# Altium PCB Terra.PcbDoc (part 1 of 7) (continued)
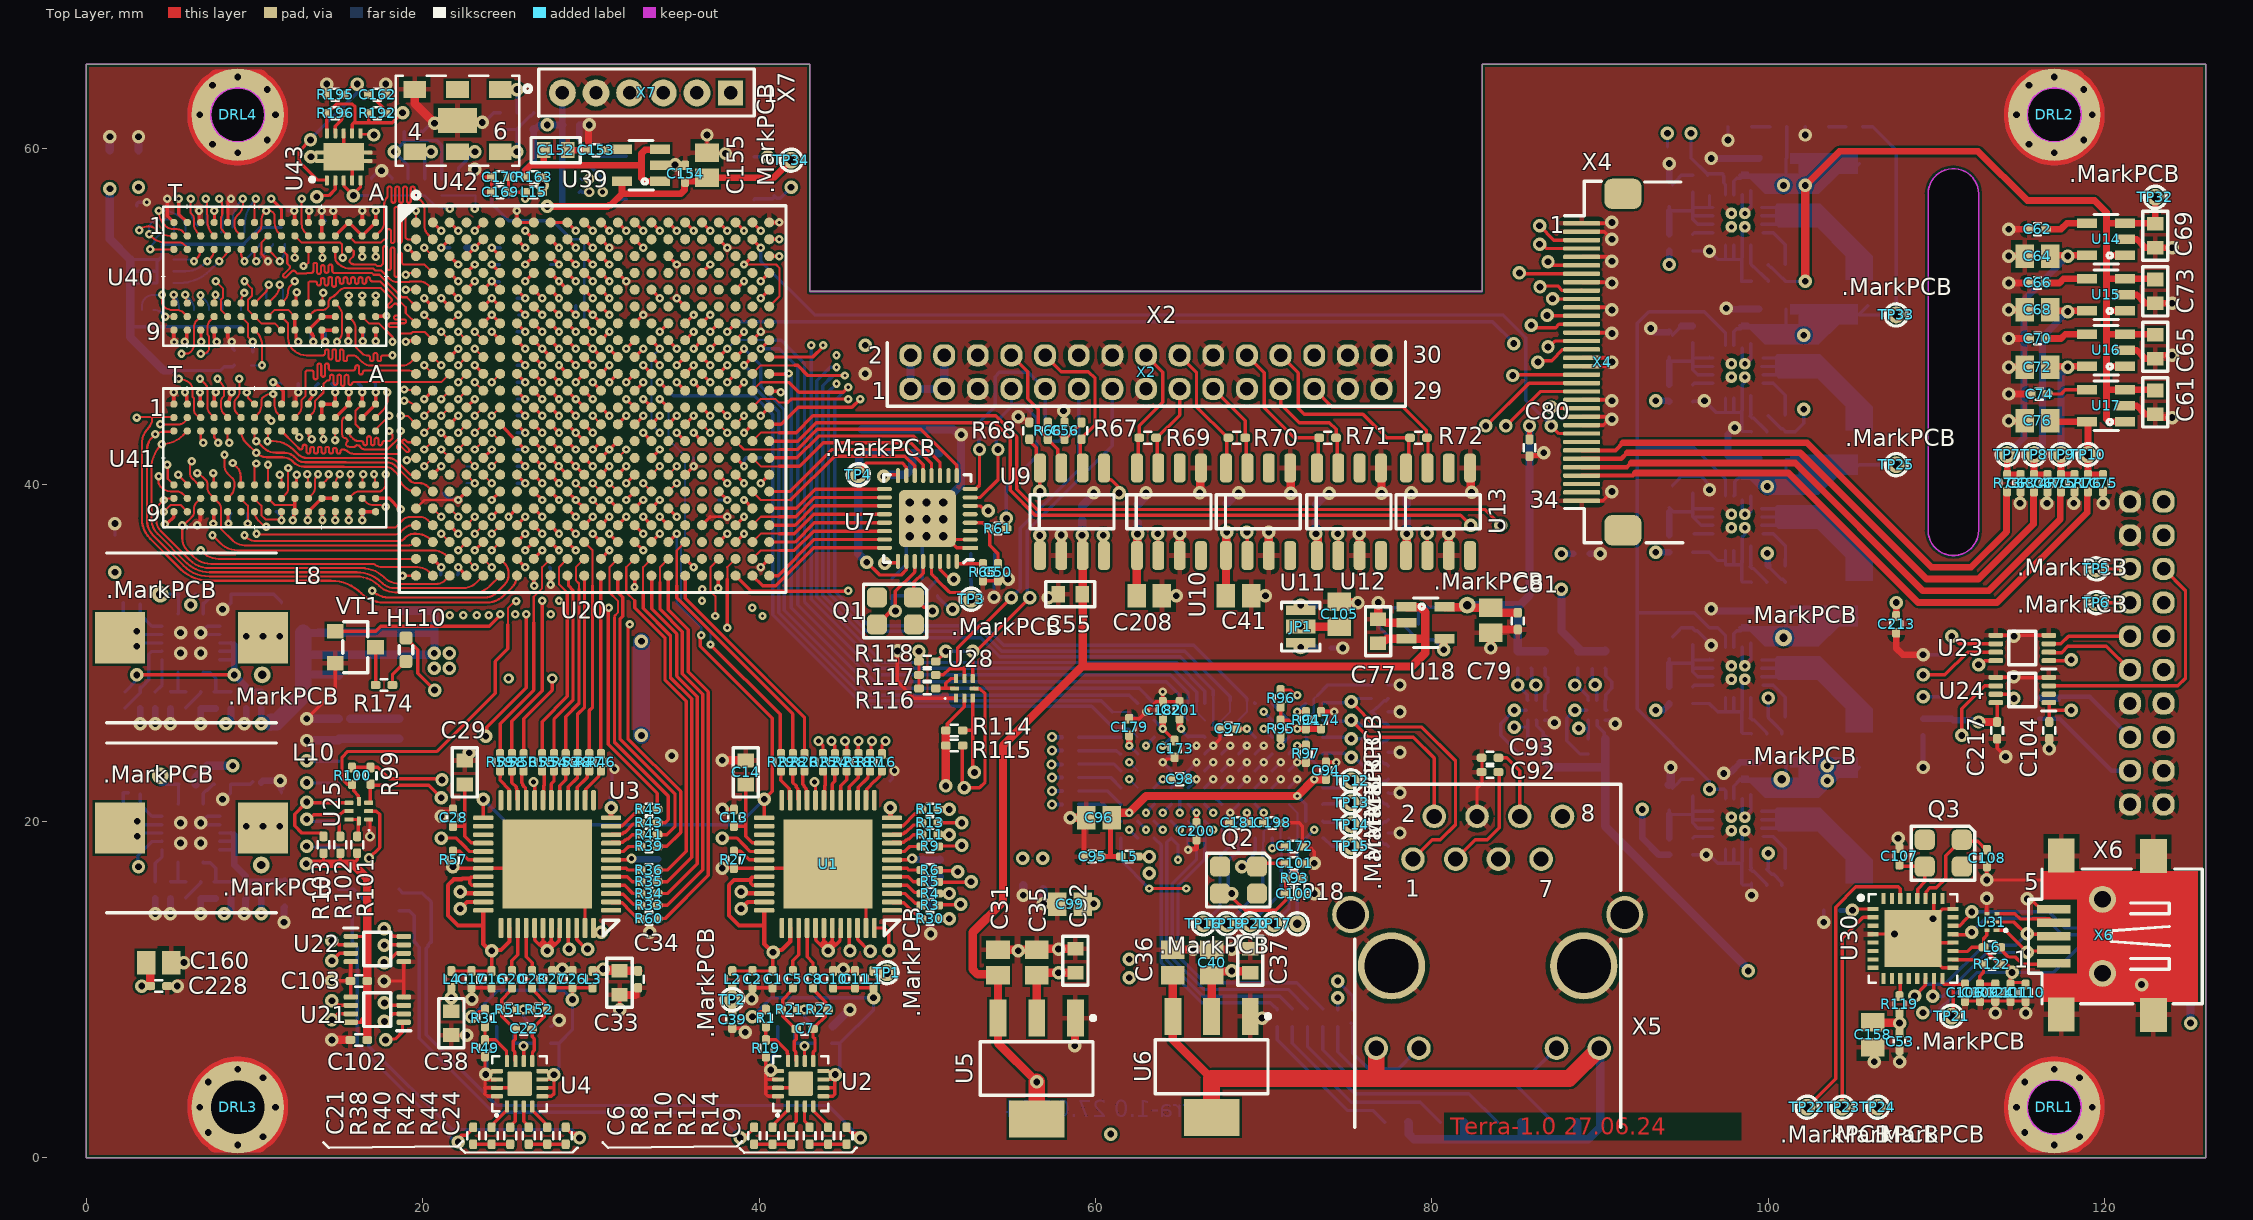
[diagram p0: Top Layer view]
## Components (designator, comment, footprint, x,y, rotation, side; value= is the part's Value field where it differs from the comment)
C1 "Cap" C0402 40.8,10.6 r270 top value=0.1uF
C2 "Cap" C0402 39.6,10.6 r270 top value=10nF
C3 "Cap" C0402 50.725,17.2 r270 bottom value=0.1uF
C4 "Cap" C0402 49.725,17.2 r270 bottom value=10nF
C5 "Cap" C0402 42,10.6 r270 top value=0.1uF
C6 "Cap" C0402 39.7,1.3 r90 top value=0.1uF
C7 "Cap" C0402 42.7,7.65 r0 top value=100pF
C8 "Cap" C0402 43.2,10.6 r270 top value=0.1uF
C9 "Cap" C0402 45.2,1.3 r90 top value=0.1uF
C10 "Cap" C0402 44.4,10.6 r90 top value=0.1uF
C11 "Cap" C0402 45.7,10.6 r90 top value=10nF
C12 "Cap" C0402 41.6,7.8 r180 bottom value=0.1uF
C13 "Cap" C0402 38.5,20.2 r90 top value=0.1uF
C14 "Cap" C0603 39.2,22.9 r90 top value=1uF
C15 "Cap" C0402 43.8,7.8 r0 bottom value=0.1uF
C16 "Cap" C0402 24.1,10.6 r270 top value=0.1uF
C17 "Cap" C0402 22.9,10.6 r270 top value=10nF
C18 "Cap" C0402 34.025,17.2 r270 bottom value=0.1uF
C19 "Cap" C0402 33.025,17.2 r270 bottom value=10nF
C20 "Cap" C0402 25.3,10.6 r270 top value=0.1uF
C21 "Cap" C0402 23,1.3 r90 top value=0.1uF
C22 "Cap" C0402 26,7.65 r0 top value=100pF
C23 "Cap" C0402 26.5,10.6 r270 top value=0.1uF
C24 "Cap" C0402 28.5,1.3 r90 top value=0.1uF
C25 "Cap" C0402 24.9,7.8 r180 bottom value=0.1uF
C26 "Cap" C0402 28.9,10.6 r90 top value=0.1uF
C27 "Cap" C0402 27.7,10.6 r90 top value=10nF
C28 "Cap" C0402 21.8,20.2 r90 top value=0.1uF
C29 "Cap" C0603 22.5,22.9 r90 top value=1uF
C30 "Cap" C0402 27.1,7.8 r0 bottom value=0.1uF
C31 "Cap" C0805 54.2,11.6 r90 top value=47uF
C32 "Cap" C0603 58.8,11.7 r90 top value=1uF
C33 "Cap" C0603 31.7,10.4 r270 top value=1uF
C34 "Cap" C0402 32.8,10.6 r270 top value=0.1uF
C35 "Cap" C0805 56.5,11.6 r90 top value=47uF
C36 "Cap" C0805 64.6,11.6 r90 top value=47uF
C37 "Cap" C0603 69.2,11.7 r90 top value=1uF
C38 "Cap" C0603 21.7,8 r270 top value=1uF
C39 "Cap" C0402 38.4,8.2 r270 top value=0.1uF
C40 "Cap" C0805 66.9,11.6 r90 top value=47uF
C41 "Cap" C0805 68.5,33.4 r0 top value=47uF
C42 "Cap" C0603 50.6,42.6 r270 bottom value=1uF
C43 "Cap" C0603 49.1,42.6 r270 bottom value=1uF
C44 "Cap" C0603 53.3,35.9 r180 bottom value=1uF
C45 "Cap" C0603 53.3,34.3 r180 bottom value=1uF
C46 "Cap" C0603 47.6,42.6 r270 bottom value=1uF
C47 "Cap" C0603 46.1,42.6 r270 bottom value=1uF
C48 "Cap" C0402 49.7,33.9 r90 bottom value=10pF
C49 "Cap" C0402 47.9,33.9 r90 bottom value=10pF
C50 "Cap" C0402 54.2,34.8 r270 top value=0.1uF
C51 "Cap" C0402 50.6,33.9 r90 bottom value=10nF
C52 "Cap" C0603 47.1,47.5 r270 bottom value=1uF
C53 "Cap" C0402 107.8,6.9 r270 top value=0.1uF
C54 "Cap" C0402 59.2,38.2 r90 bottom value=0.1uF
C55 "Cap" C0603 58.5,33.5 r180 top value=1uF
C56 "Cap" C0402 58.16,43.211 r90 top value=0.1uF
C57 "Cap" C0402 62.5,38.3 r90 bottom value=0.1uF
C58 "Cap" C0402 73.1,38.3 r90 bottom value=0.1uF
C59 "Cap" C0402 67.8,38.2 r90 bottom value=0.1uF
C60 "Cap" C0402 78.5,38.3 r90 bottom value=0.1uF
C61 "Cap" C0603 123,44.9 r270 top value=1uF
C62 "Cap" C0402 116,55.2 r180 top value=0.1uF
C63 "Cap" C0402 115,40.1 r270 top value=0.1uF
C64 "Cap" C0805 116,53.6 r180 top value=47uF
C65 "Cap" C0603 123,48.211 r270 top value=1uF
C66 "Cap" C0402 116,52 r180 top value=0.1uF
C67 "Cap" C0402 116.6,40.1 r270 top value=0.1uF
C68 "Cap" C0805 116,50.4 r180 top value=47uF
C69 "Cap" C0603 123,54.811 r270 top value=1uF
C70 "Cap" C0402 116,48.7 r180 top value=0.1uF
C71 "Cap" C0402 118.2,40.1 r270 top value=0.1uF
C72 "Cap" C0805 116,47 r180 top value=47uF
C73 "Cap" C0603 123,51.5 r270 top value=1uF
C74 "Cap" C0402 116.1,45.4 r180 top value=0.1uF
C75 "Cap" C0402 119.9,40.1 r270 top value=0.1uF
C76 "Cap" C0805 116,43.8 r180 top value=47uF
C77 "Cap" C0603 76.8,31.3 r90 top value=1uF
C78 "Cap" C0402 78.7,32.7 r180 bottom value=0.1uF
C79 "Cap" C0805 83.5,31.95 r270 top value=47uF
C80 "Cap" C0402 85.8,42.2 r270 top value=0.1uF
C81 "Cap" C0402 85.1,31.9 r270 top value=0.1uF
C82 "Cap" C0402 58.5,25 r180 bottom value=10nF
C83 "Cap" C0402 58.5,24.2 r0 bottom value=10nF
C84 "Cap" C0402 58.5,21.8 r0 bottom value=10nF
C85 "Cap" C0402 58.5,21 r0 bottom value=10nF
C86 "Cap" C0402 58.5,23.4 r0 bottom value=10nF
C87 "Cap" C0402 58.5,22.6 r0 bottom value=10nF
C88 "Cap" C0402 76.9,26.5 r0 bottom value=10nF
C89 "Cap" C0402 76.9,24.1 r0 bottom value=10nF
C90 "Cap" C0402 76.9,21.7 r0 bottom value=10nF
C91 "Cap" C0402 76.9,19.3 r0 bottom value=10nF
C92 "Cap" C0402 83.45,22.925 r180 top value=10nF
C93 "Cap" C0402 83.45,23.775 r180 top value=10nF
C94 "Cap" C0402 73.7,23 r90 top value=10nF
C95 "Cap" C0402 59.8,17.9 r180 top value=10nF
C96 "Cap" C0805 60.2,20.2 r180 top value=47uF
C97 "Cap" C0402 67.9,25.5 r180 top value=10nF
C98 "Cap" C0402 65,22.5 r0 top value=10nF
C99 "Cap" C0805 58.475,15.075 r180 top value=47uF
C100 "Cap" C0402 71.8,15.7 r0 top value=22pF
C101 "Cap" C0402 71.8,17.5 r0 top value=22pF
C102 "Cap" C0402 16.2,7 r180 top value=0.1uF
C103 "Cap" C0402 16.2,10.5 r180 top value=0.1uF
C104 "Cap" C0402 116.7,25.4 r270 top value=0.1uF
C105 "Cap" C0805 74.5,32.3 r90 top value=10uF
C106 "Cap" C0402 111.691,9.809 r270 top value=0.1uF
C107 "Cap" C0402 107.791,17.909 r90 top value=10pF
C108 "Cap" C0402 112.991,17.809 r270 top value=10pF
C109 "Cap" C0402 112.591,9.809 r270 top value=0.1uF
C110 "Cap" C0402 115.3,9.8 r270 top value=0.1uF
C111 "Cap" C0402 114.391,9.809 r270 top value=0.1uF
C112 "Cap" C0402 2.7,33 r180 bottom value=0.1uF
C113 "Cap" C0805 94.1,39.4 r90 bottom value=10uF
C114 "Cap" C0402 95.5,40 r90 bottom value=0.1uF
C115 "Cap" C0402 95.5,36.5 r270 bottom value=3.3nF
C116 "Cap" C0402 98.3,41 r90 bottom value=0.1uF
C117 "Cap" C0805 100.3,41.5 r180 bottom value=47uF
C118 "Cap" C0402 9.5,27.2 r270 bottom value=0.1uF
C119 "Cap" C0402 4.1,27.2 r90 bottom value=10nF
C120 "Cap" C0402 5,27.2 r90 bottom value=10nF
C121 "Cap" C0402 6.8,27.2 r90 bottom value=3.3nF
C122 "Cap" C0805 9.9,32.9 r90 bottom value=47uF
C123 "Cap" C0402 11.6,32.5 r90 bottom value=0.1uF
C124 "Cap" C0402 2.7,21.7 r180 bottom value=0.1uF
C125 "Cap" C0805 94.1,21.4 r90 bottom value=10uF
C126 "Cap" C0402 95.5,22 r90 bottom value=0.1uF
C127 "Cap" C0402 95.5,18.5 r270 bottom value=3.3nF
C128 "Cap" C0402 98.3,23 r90 bottom value=0.1uF
C129 "Cap" C0805 100.3,23.5 r180 bottom value=47uF
C130 "Cap" C0402 9.5,15.9 r270 bottom value=0.1uF
C131 "Cap" C0805 11.8,15.7 r270 bottom value=10uF
C132 "Cap" C0402 4.1,15.9 r90 bottom value=10nF
C133 "Cap" C0402 5,15.9 r90 bottom value=10nF
C134 "Cap" C0402 6.8,15.9 r90 bottom value=3.3nF
C135 "Cap" C0805 9.9,21.6 r90 bottom value=47uF
C136 "Cap" C0402 11.6,21.2 r90 bottom value=0.1uF
C137 "Cap" C0805 94.1,30.4 r90 bottom value=10uF
C138 "Cap" C0402 95.5,31 r90 bottom value=0.1uF
C139 "Cap" C0402 95.5,27.5 r270 bottom value=3.3nF
C140 "Cap" C0402 98.3,32 r90 bottom value=0.1uF
C141 "Cap" C0805 100.3,32.5 r180 bottom value=47uF
C142 "Cap" C0805 94.1,57.3 r90 bottom value=10uF
C143 "Cap" C0402 95.5,57.9 r90 bottom value=0.1uF
C144 "Cap" C0402 95.5,54.4 r270 bottom value=3.3nF
C145 "Cap" C0402 98.3,58.9 r90 bottom value=0.1uF
C146 "Cap" C0805 100.3,59.4 r180 bottom value=47uF
C147 "Cap" C0805 94.1,48.5 r90 bottom value=10uF
C148 "Cap" C0402 95.5,48.95 r90 bottom value=0.1uF
C149 "Cap" C0402 95.5,45.45 r270 bottom value=3.3nF
C150 "Cap" C0402 98.3,49.95 r90 bottom value=0.1uF
C151 "Cap" C0805 100.3,50.45 r180 bottom value=47uF
C152 "Cap" C0603 27.9,59.9 r0 top value=1uF
C153 "Cap" C0402 30.3,59.9 r180 top value=0.1uF
C154 "Cap" C0402 35.6,58.5 r90 top value=0.1uF
C155 "Cap" C0805 36.9,59 r90 top value=47uF
C156 "Cap" C0402 22.125,57.7 r270 bottom value=10nF
C157 "Cap" C0402 20.125,57.7 r270 bottom value=10nF
C158 "Cap" C0805 106.2,7.3 r270 top value=47uF
C159 "Cap" C0402 28.8,61.4 r180 bottom value=0.1uF
C160 "Cap" C0805 4.3,11.6 r0 top value=47uF
C161 "Cap" C0402 19.4,61 r180 bottom value=0.1uF
C162 "Cap" C0402 17.3,63.2 r0 top value=10nF
C163 "Cap" C0805 3.1,59.15 r90 bottom value=47uF
C164 "Cap" C0402 12.1,46 r0 bottom value=0.1uF
C165 "Cap" C0805 1.4,59.15 r90 bottom value=47uF
C166 "Cap" C0402 16.95,57.7 r90 bottom value=0.1uF
C167 "Cap" C0402 28.8,60.6 r180 bottom value=0.1uF
C168 "Cap" C0402 24.625,61.6 r270 bottom value=0.1uF
C169 "Cap" C0402 24.6,57.4 r180 top value=0.1uF
C170 "Cap" C0402 24.6,58.3 r180 top value=0.47uF
C171 "Cap" C0805 56.9,16.7 r270 bottom value=47uF
C172 "Cap" C0402 71.8,18.5 r0 top value=0.47uF
C173 "Cap" C0402 64.7,24.3 r270 top value=0.47uF
C174 "Cap" C0402 73.4,26 r90 top value=0.47uF
C175 "Cap" C0402 73.5,30.3 r0 bottom value=0.47uF
C176 "Cap" C0402 55.7,16.7 r270 bottom value=0.47uF
C177 "Cap" C0402 31.2,21.9 r90 bottom value=0.47uF
C178 "Cap" C0402 47.8,21.9 r90 bottom value=0.47uF
C179 "Cap" C0402 62,25.6 r90 top value=0.47uF
C180 "Cap" C0402 39.1,42.1 r270 bottom value=0.47uF
C181 "Cap" C0402 68.5,19.9 r180 top locked value=0.47uF
C182 "Cap" C0402 64,26.6 r90 top value=0.47uF
C183 "Cap" C0402 25.1,54.1 r180 bottom value=0.47uF
C184 "Cap" C0402 22.1,54.1 r180 bottom value=0.47uF
C185 "Cap" C0402 27.1,53.1 r0 bottom value=0.47uF
C186 "Cap" C0402 91.2,63 r90 bottom value=0.47uF
C187 "Cap" C0402 88.55,63 r90 bottom value=0.47uF
C188 "Cap" C0402 89.4,63 r90 bottom value=0.47uF
C189 "Cap" C0402 90.3,63 r90 bottom value=0.47uF
C190 "Cap" C0402 21.575,34.65 r180 bottom value=0.47uF
C191 "Cap" C0402 27.05,35.1 r0 bottom value=0.47uF
C192 "Cap" C0402 13.8,49 r180 bottom value=0.47uF
C193 "Cap" C0402 11.5,56.3 r0 bottom value=0.47uF
C194 "Cap" C0402 87.7,63 r90 bottom value=0.47uF
C195 "Cap" C0402 86.8,63 r90 bottom value=0.47uF
C196 "Cap" C0402 85.9,63 r90 bottom value=0.47uF
C197 "Cap" C0805 84.6,63 r270 bottom value=47uF
C198 "Cap" C0402 70.5,19.9 r0 top value=0.47uF
C199 "Cap" C0402 25.6,44.6 r270 bottom value=0.47uF
C200 "Cap" C0402 66,19.4 r270 top value=0.47uF
C201 "Cap" C0402 65,26.6 r90 top value=0.47uF
C202 "Cap" C0402 25.6,40.6 r270 bottom value=0.47uF
C203 "Cap" C0402 29.1,51.15 r270 bottom value=0.47uF
C204 "Cap" C0402 25.6,42.6 r270 bottom value=0.47uF
C205 "Cap" C0402 25.6,46.6 r270 bottom value=0.47uF
C206 "Cap" C0402 24.55,52.575 r270 bottom value=0.47uF
C207 "Cap" C0402 25.6,50.6 r90 bottom value=0.47uF
C208 "Cap" C0805 63.2,33.4 r0 top value=47uF
C209 "Cap" C0402 73.5,32.8 r0 bottom value=0.47uF
C210 "Cap" C0402 109.2,25.6 r270 bottom value=0.47uF
C211 "Cap" C0402 88.9,35.9 r0 bottom value=0.47uF
C212 "Cap" C0402 107.8,6.9 r270 bottom value=0.47uF
C213 "Cap" C0402 107.6,31.7 r270 top value=0.47uF
C214 "Cap" C0402 36.1,42.1 r270 bottom value=0.47uF
C215 "Cap" C0402 103.8,14.7 r180 bottom value=0.47uF
C216 "Cap" C0402 40.1,41.1 r90 bottom value=0.47uF
C217 "Cap" C0402 113.6,25.4 r270 top value=0.47uF
C218 "Cap" C0402 37.6,38.6 r270 bottom value=0.47uF
C219 "Cap" C0805 1.7,36.2 r90 bottom value=47uF
C220 "Cap" C0402 21.1,40.1 r270 bottom value=0.47uF
C221 "Cap" C0402 11.8,38.4 r0 bottom value=0.47uF
C222 "Cap" C0402 7.2,45.1 r180 bottom value=0.47uF
C223 "Cap" C0402 16.1,38.4 r0 bottom value=0.47uF
C224 "Cap" C0402 25.1,49.1 r0 bottom value=0.47uF
C225 "Cap" C0402 13.7,55.7 r0 bottom value=0.47uF
C226 "Cap" C0402 16.675,46 r180 bottom value=0.47uF
C227 "Cap" C0402 13.6,38.4 r180 bottom value=0.47uF
C228 "Cap" C0402 4.3,10.2 r0 top value=0.47uF
C229 "Cap" C0402 14.3,46 r0 bottom value=0.47uF
C230 "Cap" C0402 16,49 r0 bottom value=0.47uF
DRL1 "Drill" "DRILL 3.2" 117,3 r180 top locked
DRL2 "Drill" "DRILL 3.2" 117,62 r0 top locked
DRL3 "Drill" "DRILL 3.2" 9,3 r180 top locked
DRL4 "Drill" "DRILL 3.2" 9,62 r0 top locked
HL1 "" KP-1608_16X08X11_L 87.9,2.1 r180 bottom value=KP-1608MGC
HL2 "" KP-1608_16X08X11_L 81.2,2.1 r180 bottom value=KP-1608MGC
HL3 "" KP-1608_16X08X11_L 77.9,2.1 r180 bottom value=KP-1608MGC
HL4 "" KP-1608_16X08X11_L 84.6,2.1 r180 bottom value=KP-1608MGC
HL5 "" KP-1608_16X08X11_L 124.191,13.209 r270 bottom value=KP-1608MGC
HL6 "" KP-1608_16X08X11_L 124.191,15.909 r270 bottom value=KP-1608MGC
HL7 "" KP-1608_16X08X11_L 124.191,10.309 r270 bottom value=KP-1608MGC
HL8 "" KP-1608_16X08X11_L 98.3,61.3 r180 bottom value=KP-1608MGC
HL9 "" KP-1608_16X08X11_L 102.9,61.3 r180 bottom value=KP-1608MGC
HL10 "" KP-1608_16X08X11_L 19,30.2 r270 top value=KP-1608MGC
HL11 "" KP-1608_16X08X11_L 25.1,57.8 r270 bottom value=KP-1608MGC
JP1 "" JUMP-3 72.2,31.575 r90 top
L1 "742792780" L0402 46.8,10.6 r270 top
L2 "742792780" L0402 38.4,10.6 r90 top
L3 "742792780" L0402 30.1,10.6 r270 top
L4 "742792780" L0402 21.7,10.6 r90 top
L5 "742792780" L0402 62,17.9 r180 top
L6 "742792780" L0402 113.291,12.509 r0 top
L7 "2.2uH" B82472G6222M000 105.4,38 r270 bottom locked value=B82472G6222M000
L8 "3.3uH" INDPM101101X680N 6.25,30.9 r180 top locked value=SLF10165T-3R3N5R83PF
L9 "2.2uH" B82472G6222M000 105.4,20 r270 bottom locked value=B82472G6222M000
L10 "3.3uH" INDPM101101X680N 6.25,19.6 r180 top locked value=SLF10165T-3R3N5R83PF
L11 "2.2uH" B82472G6222M000 105.4,29 r270 bottom locked value=B82472G6222M000
L12 "2.2uH" B82472G6222M000 105.4,55.9 r270 bottom locked value=B82472G6222M000
L13 "2.2uH" B82472G6222M000 105.4,46.9 r270 bottom locked value=B82472G6222M000
L14 "742792780" L0402 26.6,61.6 r90 bottom
L15 "742792780" L0402 26.6,57.4 r0 top
Q1 "XMD-SMD3225  24MHz" KX-5T 48.1,32.5 r180 top locked value=01XMD118JVF0024000000
Q2 "XMD-SMD3225  25MHz" KX-5T 68.5,16.5 r180 top value=01XMD118JVF0025000000
Q3 "XMD-SMD3225  12MHz" KX-5T 110.4,18.1 r180 top value=01XMD118JVF0012000000
R1 "Res2" R0402 40.4,8.3 r270 top value=1K
R2 "Res2" R0402 43.8,6.8 r180 bottom value=1K
R3 "Res2" R0402 50.15,15 r0 top value=22R
R4 "Res2" R0402 50.15,15.7 r0 top value=22R
R5 "Res2" R0402 50.15,16.4 r0 top value=22R
R6 "Res2" R0402 50.15,17.1 r0 top value=22R
R7 "Res2" R0402 20,12.8 r180 bottom value=49.9
R8 "Res2" R0402 40.8,1.3 r90 top value=0R
R9 "Res2" R0402 50.15,18.5 r0 top value=22R
R10 "Res2" R0402 41.9,1.3 r90 top value=0R
R11 "Res2" R0402 50.15,19.2 r0 top value=22R
R12 "Res2" R0402 43,1.3 r90 top value=0R
R13 "Res2" R0402 50.15,19.9 r0 top value=22R
R14 "Res2" R0402 44.1,1.3 r90 top value=0R
R15 "Res2" R0402 50.15,20.7 r0 top value=22R
R16 "Res2" R0402 47.3,23.5 r90 top value=22R
R17 "Res2" R0402 46.6,23.5 r90 top value=22R
R18 "Res2" R0402 45.9,23.5 r90 top value=22R
R19 "Res2" R0402 40.4,6.5 r270 top value=1K
R20 "Res2" R0402 41.6,6.8 r180 bottom value=1K
R21 "Res2" R0402 41.8,8.8 r0 top value=1K
R22 "Res2" R0402 43.6,8.8 r180 top value=1K
R23 "Res2" R0402 45.2,23.5 r90 top value=22R
R24 "Res2" R0402 44.5,23.5 r90 top value=22R
R25 "Res2" R0402 43.8,23.5 r90 top value=22R
R26 "Res2" R0402 42.7,23.5 r90 top value=22R
R27 "Res2" R0402 38.5,17.7 r270 top value=12.1K
R28 "Res2" R0402 42,23.5 r90 top value=22R
R29 "Res2" R0402 41.3,23.5 r90 top value=22R
R30 "Res2" R0402 50.15,14.2 r0 top value=22R
R31 "Res2" R0402 23.7,8.3 r270 top value=1K
R32 "Res2" R0402 27.1,6.8 r180 bottom value=1K
R33 "Res2" R0402 33.45,15 r0 top value=22R
R34 "Res2" R0402 33.45,15.7 r0 top value=22R
R35 "Res2" R0402 33.45,16.4 r0 top value=22R
R36 "Res2" R0402 33.45,17.1 r0 top value=22R
R37 "Res2" R0402 16.3,12.8 r180 bottom value=49.9
R38 "Res2" R0402 24.1,1.3 r90 top value=0R
R39 "Res2" R0402 33.45,18.5 r0 top value=22R
R40 "Res2" R0402 25.2,1.3 r90 top value=0R
R41 "Res2" R0402 33.45,19.2 r0 top value=22R
R42 "Res2" R0402 26.3,1.3 r90 top value=0R
R43 "Res2" R0402 33.45,19.9 r0 top value=22R
R44 "Res2" R0402 27.4,1.3 r90 top value=0R
R45 "Res2" R0402 33.45,20.7 r0 top value=22R
R46 "Res2" R0402 30.6,23.5 r90 top value=22R
R47 "Res2" R0402 29.9,23.5 r90 top value=22R
R48 "Res2" R0402 29.2,23.5 r90 top value=22R
R49 "Res2" R0402 23.7,6.5 r270 top value=1K
R50 "Res2" R0402 24.9,6.8 r180 bottom value=1K
R51 "Res2" R0402 25.1,8.8 r0 top value=1K
R52 "Res2" R0402 26.9,8.8 r180 top value=1K
R53 "Res2" R0402 28.5,23.5 r90 top value=22R
R54 "Res2" R0402 27.8,23.5 r90 top value=22R
R55 "Res2" R0402 27.1,23.5 r90 top value=22R
R56 "Res2" R0402 26,23.5 r90 top value=22R
R57 "Res2" R0402 21.8,17.7 r270 top value=12.1K
R58 "Res2" R0402 25.3,23.5 r90 top value=22R
R59 "Res2" R0402 24.6,23.5 r90 top value=22R
R60 "Res2" R0402 33.45,14.2 r0 top value=22R
R61 "Res2" R0402 54.2,37.4 r0 top value=10k
R62 "Res2" R0402 53.2,43.3 r270 bottom value=1R
R63 "Res2" R0402 54.2,43.3 r270 bottom value=1R
R64 "Res2" R0402 48.8,33.9 r270 bottom value=1MOm
R65 "Res2" R0402 53.3,34.8 r270 top value=12k
R66 "Res2" R0402 57.16,43.211 r270 top value=60R
R67 "Res2" R0402 59.16,43.211 r90 top value=60R
R68 "Res2" R0402 56.06,43.211 r90 top value=10K
R69 "Res2" R0402 63.1,42.8 r0 top value=120R
R70 "Res2" R0402 68.4,42.8 r0 top value=120R
R71 "Res2" R0402 73.8,42.8 r0 top value=120R
R72 "Res2" R0402 79.2,42.8 r0 top value=120R
R73 "Res2" R0402 114.2,40.1 r90 top value=1R
R74 "Res2" R0402 115.8,40.1 r90 top value=1R
R75 "Res2" R0402 117.4,40.1 r90 top value=1R
R76 "Res2" R0402 119,40.1 r90 top value=1R
R77 "Res2" R0402 78.7,31.7 r180 bottom value=665K
R78 "Res2" R0402 78.7,30.8 r180 bottom value=316K
R79 "Res2" R0402 73.5,8.3 r270 bottom value=50R
R80 "Res2" R0402 74.4,8.3 r270 bottom value=50R
R81 "Res2" R0402 75.3,8.3 r270 bottom value=50R
R82 "Res2" R0402 71.7,8.3 r270 bottom value=50R
R83 "Res2" R0402 70.8,8.3 r270 bottom value=50R
R84 "Res2" R0402 72.6,8.3 r270 bottom value=50R
R85 "Res2" R0402 76.9,27.3 r0 bottom value=47R
R86 "Res2" R0402 76.9,25.7 r0 bottom value=47R
R87 "Res2" R0402 76.9,24.9 r0 bottom value=47R
R88 "Res2" R0402 76.9,23.3 r0 bottom value=47R
R89 "Res2" R0402 76.9,22.5 r0 bottom value=47R
R90 "Res2" R0402 76.9,20.9 r0 bottom value=47R
R91 "Res2" R0402 76.9,20.1 r0 bottom value=47R
R92 "Res2" R0402 76.9,18.5 r0 bottom value=47R
R93 "Res2" R0402 71.8,16.6 r0 top value=1MOm
R94 "Res2" R0402 72.5,26 r90 top value=4.7K
R95 "Res2" R0402 71,25.5 r270 top value=4.7K
R96 "Res2" R0402 71,27.3 r90 top value=4.7K
R97 "Res2" R0402 72.5,24 r270 top value=4.7K
R98 "Res2" R0402 76.9,28.1 r180 bottom value=4.99K
R99 "Res2" R0402 16.9,22.7 r90 top value=2.2K
R100 "Res2" R0402 15.8,22.7 r90 top value=2.2K
R101 "Res2" R0402 16.1,18.6 r270 top value=200K
R102 "Res2" R0402 15.1,18.6 r270 top value=2.2K
R103 "Res2" R0402 14.1,18.6 r270 top value=2.2K
R104 "Res2" R0402 86.2,24.9 r0 bottom value=2.2K
R105 "Res2" R0402 86.2,24 r0 bottom value=2.2K
R106 "Res2" R0402 86.7,29.6 r90 bottom value=200K
R107 "Res2" R0402 85.9,29.6 r90 bottom value=2.2K
R108 "Res2" R0402 85.1,29.6 r90 bottom value=2.2K
R109 "Res2" R0402 89.8,24.9 r0 bottom value=2.2K
R110 "Res2" R0402 89.8,24 r0 bottom value=2.2K
R111 "Res2" R0402 90.3,29.6 r90 bottom value=200K
R112 "Res2" R0402 89.5,29.6 r90 bottom value=2.2K
R113 "Res2" R0402 88.7,29.6 r90 bottom value=2.2K
R114 "Res2" R0402 51.6,25.4 r180 top value=2.2K
R115 "Res2" R0402 51.6,24.5 r180 top value=2.2K
R116 "Res2" R0402 50,27.9 r180 top value=200K
R117 "Res2" R0402 50,28.7 r180 top value=2.2K
R118 "Res2" R0402 50,29.5 r180 top value=2.2K
R119 "Res2" R0402 107.791,9.109 r270 top value=2K
R120 "Res2" R0402 122.691,12.509 r0 bottom value=130R
R121 "Res2" R0402 122.7,15.2 r0 bottom value=130R
R122 "Res2" R0402 113.291,11.509 r180 top value=4.7K
R123 "Res2" R0402 122.691,9.609 r180 bottom value=300R
R124 "Res2" R0402 113.491,9.809 r270 top value=10K
R125 "Res2" R0402 94.1,36.5 r270 bottom value=0R
R126 "Res2" R0402 100,34.7 r270 bottom value=75K
R127 "Res2" R0402 101,34.7 r90 bottom value=1K
R128 "Res2" R0402 10.4,27.2 r270 bottom value=0R
R129 "Res2" R0402 99,34.7 r90 bottom value=24K
R130 "Res2" R0402 2.3,27.2 r270 bottom value=20K
R131 "Res2" R0402 6,33.5 r0 bottom value=10K
R132 "Res2" R0402 8.6,27.2 r270 bottom value=4.99K
R133 "Res2" R0402 5.9,27.2 r270 bottom value=4.02K
R134 "Res2" R0402 3.2,27.2 r270 bottom value=15K
R135 "Res2" R0402 8.1,33.5 r180 bottom value=80.6K
R136 "Res2" R0402 7.7,27.2 r90 bottom value=20K
R137 "Res2" R0402 94.1,18.5 r270 bottom value=0R
R138 "Res2" R0402 100,16.7 r270 bottom value=21K
R139 "Res2" R0402 101,16.7 r90 bottom value=1K
R140 "Res2" R0402 10.4,15.9 r270 bottom value=0R
R141 "Res2" R0402 99,16.7 r90 bottom value=24K
R142 "Res2" R0402 6,22.2 r0 bottom value=10K
R143 "Res2" R0402 8.6,15.9 r270 bottom value=25K
R144 "Res2" R0402 5.9,15.9 r270 bottom value=4.02K
R145 "Res2" R0402 8.1,22.2 r180 bottom value=80.6K
R146 "Res2" R0402 7.7,15.9 r90 bottom value=20K
R147 "Res2" R0402 94.1,27.5 r270 bottom value=0R
R148 "Res2" R0402 100,25.7 r270 bottom value=51K
R149 "Res2" R0402 101,25.7 r90 bottom value=1K
R150 "Res2" R0402 99,25.7 r90 bottom value=24K
R151 "Res2" R0402 94.1,54.4 r270 bottom value=0R
R152 "Res2" R0402 96.4,57.9 r270 bottom value=330K
R153 "Res2" R0402 100,52.6 r270 bottom value=75K
R154 "Res2" R0402 100.6,61.3 r0 bottom value=130R
R155 "Res2" R0402 101,52.6 r90 bottom value=1K
R156 "Res2" R0402 97.3,58.9 r270 bottom value=56K
R157 "Res2" R0402 99,52.6 r90 bottom value=24K
R158 "Res2" R0402 94.1,45.45 r270 bottom value=0R
R159 "Res2" R0402 100,43.65 r270 bottom value=110K
R160 "Res2" R0402 105.1,61.3 r0 bottom value=300R
R161 "Res2" R0402 101,43.65 r90 bottom value=1K
R162 "Res2" R0402 99,43.65 r90 bottom value=21K
R163 "Res2" R0402 26.6,58.3 r0 top value=1R
R164 "Res2" R0402 9.3,48 r0 bottom value=240R
R165 "Res2" R0402 9.1,38.4 r0 bottom value=240R
R166 "Res2" R0402 4.7,52.7 r180 bottom value=50R
R167 "Res2" R0402 7.3,49.9 r270 bottom value=50R
R168 "Res2" R0402 4.7,53.4 r180 bottom value=50R
R169 "Res2" R0402 7.3,54.8 r270 bottom value=50R
R170 "Res2" R0402 6.1,47.3 r270 bottom value=50R
R171 "Res2" R0402 6.6,54.8 r270 bottom value=50R
R172 "Res2" R0402 3.3,49.9 r270 bottom value=50R
R173 "Res2" R0402 5.9,54.8 r270 bottom value=50R
R174 "Res2" R0402 17.7,28.1 r0 top value=130R
R175 "Res2" R0402 3.1,56.2 r270 bottom value=4.7K
R176 "Res2" R0402 11.2,51.1 r180 bottom value=100R
R177 "Res2" R0402 4,49.9 r270 bottom value=50R
R178 "Res2" R0402 5.2,54.8 r270 bottom value=50R
R179 "Res2" R0402 9.2,49.9 r270 bottom value=50R
R180 "Res2" R0402 6.4,49.9 r270 bottom value=50R
R181 "Res2" R0402 8.1,49.9 r270 bottom value=50R
R182 "Res2" R0402 4.5,54.8 r270 bottom value=50R
R183 "Res2" R0402 5.5,49.9 r270 bottom value=50R
R184 "Res2" R0402 8,54.8 r270 bottom value=50R
R185 "Res2" R0402 7.275,47.3 r270 bottom value=50R
R186 "Res2" R0402 19.125,57.7 r270 bottom value=10K
R187 "Res2" R0402 21.125,57.7 r270 bottom value=10K
R188 "Res2" R0402 4.7,52 r180 bottom value=50R
R189 "Res2" R0402 25.625,61.6 r270 bottom value=4.7K
R190 "Res2" R0402 8.7,54.8 r270 bottom value=50R
R191 "Res2" R0402 11.8,54.8 r90 bottom value=50R
R192 "Res2" R0402 17.3,62.1 r0 top value=10K
R193 "Res2" R0402 22.6,40.6 r90 bottom value=100R
R194 "Res2" R0402 11.1,54.8 r90 bottom value=50R
R195 "Res2" R0402 14.8,63.2 r0 top value=10K
R196 "Res2" R0402 14.8,62.1 r0 top value=100K
R197 "Res2" R0402 10.3,54.8 r90 bottom value=50R
R198 "Res2" R0402 18.175,57.7 r90 bottom value=10K
R199 "Res2" R0402 23.125,57.7 r90 bottom value=10K
R200 "Res2" R0402 9.4,54.8 r270 bottom value=50R
R201 "Res2" R0402 9.3,47.1 r180 bottom value=50R
R202 "Res2" R0402 24.1,57.7 r90 bottom value=330R
R203 "Res2" R0402 28.8,58.2 r0 bottom value=1K
R204 "Res2" R0402 40.9,57.6 r270 bottom value=4.7K
R205 "Res2" R0402 28.8,59.8 r180 bottom value=4.7K
R206 "Res2" R0402 28.8,56.6 r180 bottom value=4.7K
R207 "Res2" R0402 28.8,57.4 r0 bottom value=4.7K
R208 "Res2" R0402 28.8,59 r0 bottom value=4.7K
TP1 "" TP_0MM5_1MM0 47.6,11 r90 top
TP2 "" TP_0MM5_1MM0 38.4,9.4 r90 top
TP3 "" TP_0MM5_1MM0 52.6,33.2 r270 top
TP4 "" TP_0MM5_1MM0 45.9,40.6 r270 top
TP5 "" TP_0MM5_1MM0 119.5,35 r90 top
TP6 "" TP_0MM5_1MM0 119.5,33 r90 top
TP7 "" TP_0MM5_1MM0 114.2,41.8 r90 top
TP8 "" TP_0MM5_1MM0 115.8,41.8 r90 top
TP9 "" TP_0MM5_1MM0 117.4,41.8 r90 top
TP10 "" TP_0MM5_1MM0 119,41.8 r90 top
TP11 "" TP_0MM5_1MM0 82.1,32.85 r270 bottom
TP12 "" TP_0MM5_1MM0 75.2,22.4 r90 top
TP13 "" TP_0MM5_1MM0 75.2,21.1 r90 top
TP14 "" TP_0MM5_1MM0 75.2,19.8 r90 top
TP15 "" TP_0MM5_1MM0 75.2,18.5 r90 top
TP16 "" TP_0MM5_1MM0 66.4,13.9 r0 top
TP17 "" TP_0MM5_1MM0 70.6,13.9 r0 top
TP18 "" TP_0MM5_1MM0 72,13.9 r0 top
TP19 "" TP_0MM5_1MM0 67.8,13.9 r0 top
TP20 "" TP_0MM5_1MM0 69.2,13.9 r0 top
TP21 "" TP_0MM5_1MM0 110.891,8.409 r180 top
TP22 "" TP_0MM5_1MM0 102.3,3 r270 top
TP23 "" TP_0MM5_1MM0 104.4,3 r270 top
TP24 "" TP_0MM5_1MM0 106.5,3 r90 top
TP25 "" TP_0MM5_1MM0 107.6,41.2 r270 top
TP26 "" TP_0MM5_1MM0 10.45,28.7 r90 bottom
TP27 "" TP_0MM5_1MM0 100.8,22.5 r270 bottom
TP28 "" TP_0MM5_1MM0 4.4,33.5 r90 bottom
TP29 "" TP_0MM5_1MM0 10.4,17.4 r90 bottom
TP30 "" TP_0MM5_1MM0 4.4,22.7 r90 bottom
TP31 "" TP_0MM5_1MM0 100.9,30.9 r270 bottom
TP32 "" TP_0MM5_1MM0 123,57.1 r270 top
TP33 "" TP_0MM5_1MM0 107.6,50.1 r270 top
TP34 "" TP_0MM5_1MM0 41.9,59.3 r90 top
U1 "К5101НВ04FI" VQFN48L 44.1,17.45 r90 top locked
U2 "ADL5565" CP_16_2_ADI-L 42.469,4.398 r90 top locked
U3 "К5101НВ04FI" VQFN48L 27.4,17.45 r90 top locked
U4 "ADL5565" CP_16_2_ADI-L 25.76,4.394 r90 top locked
U5 "LD1117S12TR" SOT223 56.5,5.3 r270 top locked value=LD1117S33TR
U6 "LD1117S12TR" SOT223 66.9,5.4 r270 top locked value=LD1117S18TR
U7 "USB3300-EZK" QFN-32 52.548,36.252 r90 top locked
U8 "" TPD4S012DRYR 57,42.9 r270 bottom value=TPD4S012DRYR
U9 "MCP2542WFD" SO8 58.6,38.4 r90 top
U10 "TPT480L1-SO1R" SO8 64.365,38.4 r90 top locked
U11 "TPT480L1-SO1R" SO8 69.665,38.4 r90 top
U12 "TPT480L1-SO1R" SO8 75.065,38.4 r90 top
U13 "TPT480L1-SO1R" SO8 80.365,38.4 r90 top
U14 "" SOT23_5 120,54.6 r90 top value=TPS71728
U15 "" SOT23_5 120,51.3 r90 top value=TPS71727
U16 "" SOT23_5 120,48 r90 top value=TPS71718
U17 "" SOT23_5 120,44.7 r90 top value=TPS71712
U18 "" SOT23_5 79.7,31.8 r270 top value=TPS71701
U19 "88E1111-B2-BAB1C000" MARVELL_88E1111-B2-BAB1C000_0 67.5,23 r270 bottom locked
U20 "XC7A200T-2FBG484I" FBG484 30.1,45.1 r0 top locked
U21 "SN74LXC2T45" SOP50P310X90-8N 17.3,8.8 r180 top
U22 "SN74LXC2T45" SOP50P310X90-8N 17.3,12.4 r0 top
U23 "SN74LXC2T45" SOP50P310X90-8N 115.1,30.3 r180 top
U24 "SN74LXC2T45" SOP50P310X90-8N 115.1,27.8 r180 top
U25 "PCA9306" 7WBD3306AMUTCG 16.2,20.6 r180 top
U26 "PCA9306" 7WBD3306AMUTCG 86.2,26.6 r90 bottom
U27 "PCA9306" 7WBD3306AMUTCG 89.8,26.6 r90 bottom
U28 "PCA9306" 7WBD3306AMUTCG 52.2,27.9 r90 top
U29 "ADN4661" SO8 113.5,28 r0 bottom value=DS90LV047A
U30 "FT232R" QFN32_FT232RQ_FTD-L 108.598,13.034 r0 top value=FT232RQ-REEL
U31 "" TPD4S012DRYR 113.291,14.009 r180 top value=TPD4S012DRYR
U32 "TLV62130RGT" QFN50P300X300X100-17N-D 98.2,37.85 r180 bottom locked
U33 "TPS60500" RGY-(S-PVQFN-N14) 6.2,30.6 r270 bottom locked value=TPS54620
U34 "TLV62130RGT" QFN50P300X300X100-17N-D 98.2,19.839 r180 bottom locked
U35 "TPS60500" RGY-(S-PVQFN-N14) 6.2,19.3 r270 bottom locked value=TPS54620
U36 "TLV62130RGT" QFN50P300X300X100-17N-D 98.2,28.839 r180 bottom locked
U37 "TLV62130RGT" QFN50P300X300X100-17N-D 98.2,55.739 r180 bottom
U38 "TLV62130RGT" QFN50P300X300X100-17N-D 98.2,46.8 r180 bottom locked
U39 "" SOT23_5 32.9,59 r90 top value=TPS71712
U40 "MT41J256M16HA-125-E" FBGA96_9X14_MRN 11.2,52.4 r270 top locked
U41 "MT41J256M16HA-125-E" FBGA96_9X14_MRN 11.2,41.6 r270 top locked
U42 "SiT9102 200MHz" SMD_AI-243N33E200.00000X_SIT-L 22.065,61.654 r270 top locked value=SIT9102AI-243N33E200.00000X
U43 "TPS51200" TPS51200AQDRCRQ1 15.3,59.5 r90 top
U44 "N25Q128A13EF840F" VPDFN8_8X6_MRN-L 35.897,58.865 r0 bottom locked
VD1 "1PS79SB30" SOD523 94.7,60.1 r180 bottom value=1PS79SB30,115
VT1 "IRLML6244" SOT23_123 14.8,31.3 r270 top value=IRLML6244TRPbF
X1 "DS1031-09-2x15P8BS21X" DS1031-09-2X15 16.8,14.68 r90 bottom locked
X2 "DS1026-13-2x15" DS1026-13-2X15 49,46.7 r0 top locked value=DS1056-10-2x15
X3 "DS1031-09-2x10P8BS21X" DS1026-13-2X10 122.5,39 r270 bottom locked value=DS1026-13-2x10
X4 "DS1020-11-34VB8" DS1020-11-34VB8 88.9,39.05 r90 top locked
X5 "KLS12-TL051" KLS12-TL051 83.315,20.29 r0 top locked
X6 "USB" USBSMALL 116.966,14.734 r270 top locked value="miniUSB B-5SB"
X7 "Разъем JTAG" HEADER-1X6S 38.3,63.3 r180 top locked value=CON1x6

## Footprints (in the part's own frame and the unit in brackets; to place one, negate y for a bottom-side part, rotate by r counter-clockwise, add the part's x,y. Pads: shape width x height; smd on the part's side, far side on the other; paste and mask are expansions set on the pad)
7WBD3306AMUTCG [mm]
  rrect30% 0.53x0.25 smd: 1(-0.585,0.5) 2(-0.585,0) 3(-0.585,-0.5) 5(0.585,-0.5) 6(0.585,0) 7(0.585,0.5)
  rrect30% 0.24x0.53 smd: 4(0,-0.585) 8(0,0.585)
  silkscreen extent -0.64,1.1 -0.56,1.19, body extent -0.8,-0.8 0.8,0.8, height 0.7
B82472G6222M000 [mm]
  rect 1.5x2.2 smd: 1(-3.2,0) 2(3.2,0)
  silkscreen extent -3.65,-3.65 3.65,3.65, body extent -3.65,-3.7 3.65,3.6, height 3.65
C0402 [mm] "Chip Condensator 1.0x0.5mm"
  rrect50% 0.58x0.48 smd: 1(-0.5,0) 2(0.5,0)
  silkscreen extent -0.2,-0.35 0.2,0.35, body extent -0.5,-0.25 0.5,0.25, height 0.4
C0603 [mil]
  rect 32x38 smd: 1(-28.01,0) 2(27.99,0)
  silkscreen extent -57,-30 58,30, body extent -31,-16 32,15, height 12
C0805 [mm] "Chip Capacitor, Body 2.0x1.3mm, IPC High Density"
  rect 1.1x1.4 smd: 1(-0.75,0) 2(0.75,0)
  body extent -1.1,-0.72 1.1,0.72, height 1.4
CP_16_2_ADI-L [mil]
  rrect10% 57x57 smd paste+0 mask+0: 0(0,0)
  rrect50% 28x10 smd paste+0 mask+0: 1(-53,29.53) 2(-53,9.84) 3(-53,-9.84) 4(-53,-29.53) 9(53,-29.53) 10(53,-9.84) 11(53,9.84) 12(53,29.53)
  rrect50% 10x28 smd paste+0 mask+0: 5(-29.53,-53) 6(-9.84,-53) 7(9.84,-53) 8(29.53,-53) 13(29.53,53) 14(9.84,53) 15(-9.84,53) 16(-29.53,53)
  silkscreen extent -76,-64 64,64, body extent -59,-59 59,59, height 39
"DRILL 3.2" [mm] "Крепёжное отверстие 3.2мм"
  round 5.5 hole 3.2 mask+0.1: 1(0,0)
  Top Layer lines w1: 1.325,2.187 0,2.187 -1.275,2.187
  Top Layer lines w3: 1.061,1.061 cw(c0,0) -1.061,1.061
  Bottom Layer lines w1: 1.325,2.187 0,2.187 -1.275,2.187
  Bottom Layer lines w3: 1.061,1.061 cw(c0,0) -1.061,1.061
DS1020-11-34VB8 [mm]
  rrect50% 1.8x2.2 smd mask+0.1: 0(-1.75,-2.45) 0(18.25,-2.45)
  rrect50% 0.26x2.2 smd mask+0.1: 1(16.5,0) 2(16,0) 3(15.5,0) 4(15,0) 5(14.5,0) 6(14,0) 7(13.5,0) 8(13,0) 9(12.5,0) 10(12,0) 11(11.5,0) 12(11,0) 13(10.5,0) 14(10,0) 15(9.5,0) 16(9,0) 17(8.5,0) 18(8,0) 19(7.5,0) 20(7,0) 21(6.5,0) 22(6,0) 23(5.5,0) 24(5,0) 25(4.5,0) 26(4,0) 27(3.5,0) 28(3,0) 29(2.5,0) 30(2,0) 31(1.5,0) 32(1,0) 33(0.5,0) 34(0,0)
  silkscreen extent -2.5,-6 19,1, body extent -2.35,-6.03 18.85,0.52, height 1.99
DS1026-13-2X10 [mm]
  rrect80% 1.3x1.3 hole 0.8 mask+0.1: 1(0,-1) 2(0,1) 3(2,-1) 4(2,1) 5(4,-1) 6(4,1) 7(6,-1) 8(6,1) 9(8,-1) 10(8,1) 11(10,-1) 12(10,1) 13(12,-1) 14(12,1) 15(14,-1) 16(14,1) 17(16,-1) 18(16,1) 19(18,-1) 20(18,1)
  silkscreen extent -1.4,-2.37 19.4,2.4, body extent -1.27,-2.27 19.27,2.27, height 6.5
DS1026-13-2X15 [mm]
  rrect80% 1.3x1.3 hole 0.8 mask+0.1: 1(0,-1) 2(0,1) 3(2,-1) 4(2,1) 5(4,-1) 6(4,1) 7(6,-1) 8(6,1) 9(8,-1) 10(8,1) 11(10,-1) 12(10,1) 13(12,-1) 14(12,1) 15(14,-1) 16(14,1) 17(16,-1) 18(16,1) 19(18,-1) 20(18,1) 21(20,-1) 22(20,1) 23(22,-1) 24(22,1) 25(24,-1) 26(24,1) 27(26,-1) 28(26,1) 29(28,-1) 30(28,1)
  silkscreen extent -1.38,-2.02 29.43,1.8, body extent -1.22,-1.38 29.27,5.72, height 5
DS1031-09-2X15 [mm]
  rrect50% 0.8x2.6 smd mask+0.1: 1(0,-1.8) 2(0,1.8) 3(1.27,-1.8) 4(1.27,1.8) 5(2.54,-1.8) 6(2.54,1.8) 7(3.81,-1.8) 8(3.81,1.8) 9(5.08,-1.8) 10(5.08,1.8) 11(6.35,-1.8) 12(6.35,1.8) 13(7.62,-1.8) 14(7.62,1.8) 15(8.89,-1.8) 16(8.89,1.8) 17(10.16,-1.8) 18(10.16,1.8) 19(11.43,-1.8) 20(11.43,1.8) 21(12.7,-1.8) 22(12.7,1.8) 23(13.97,-1.8) 24(13.97,1.8) 25(15.24,-1.8) 26(15.24,1.8) 27(16.51,-1.8) 28(16.51,1.8) 29(17.78,-1.8) 30(17.78,1.8)
  silkscreen extent -1,-1.8 18.8,1.9, body extent -0.66,-2.88 18.39,2.82, height 5.97